# Altium PCB MB_PCB.PcbDoc (part 2 of 4)
Units mm, origin at the board's own origin, x right, y up, seen from the top; angles counter-clockwise.
Board outline 140 x 163 mm, 2 copper layers (Top Layer, Bottom Layer); 363 components, 293 nets, 1486 pads, 1369 vias.
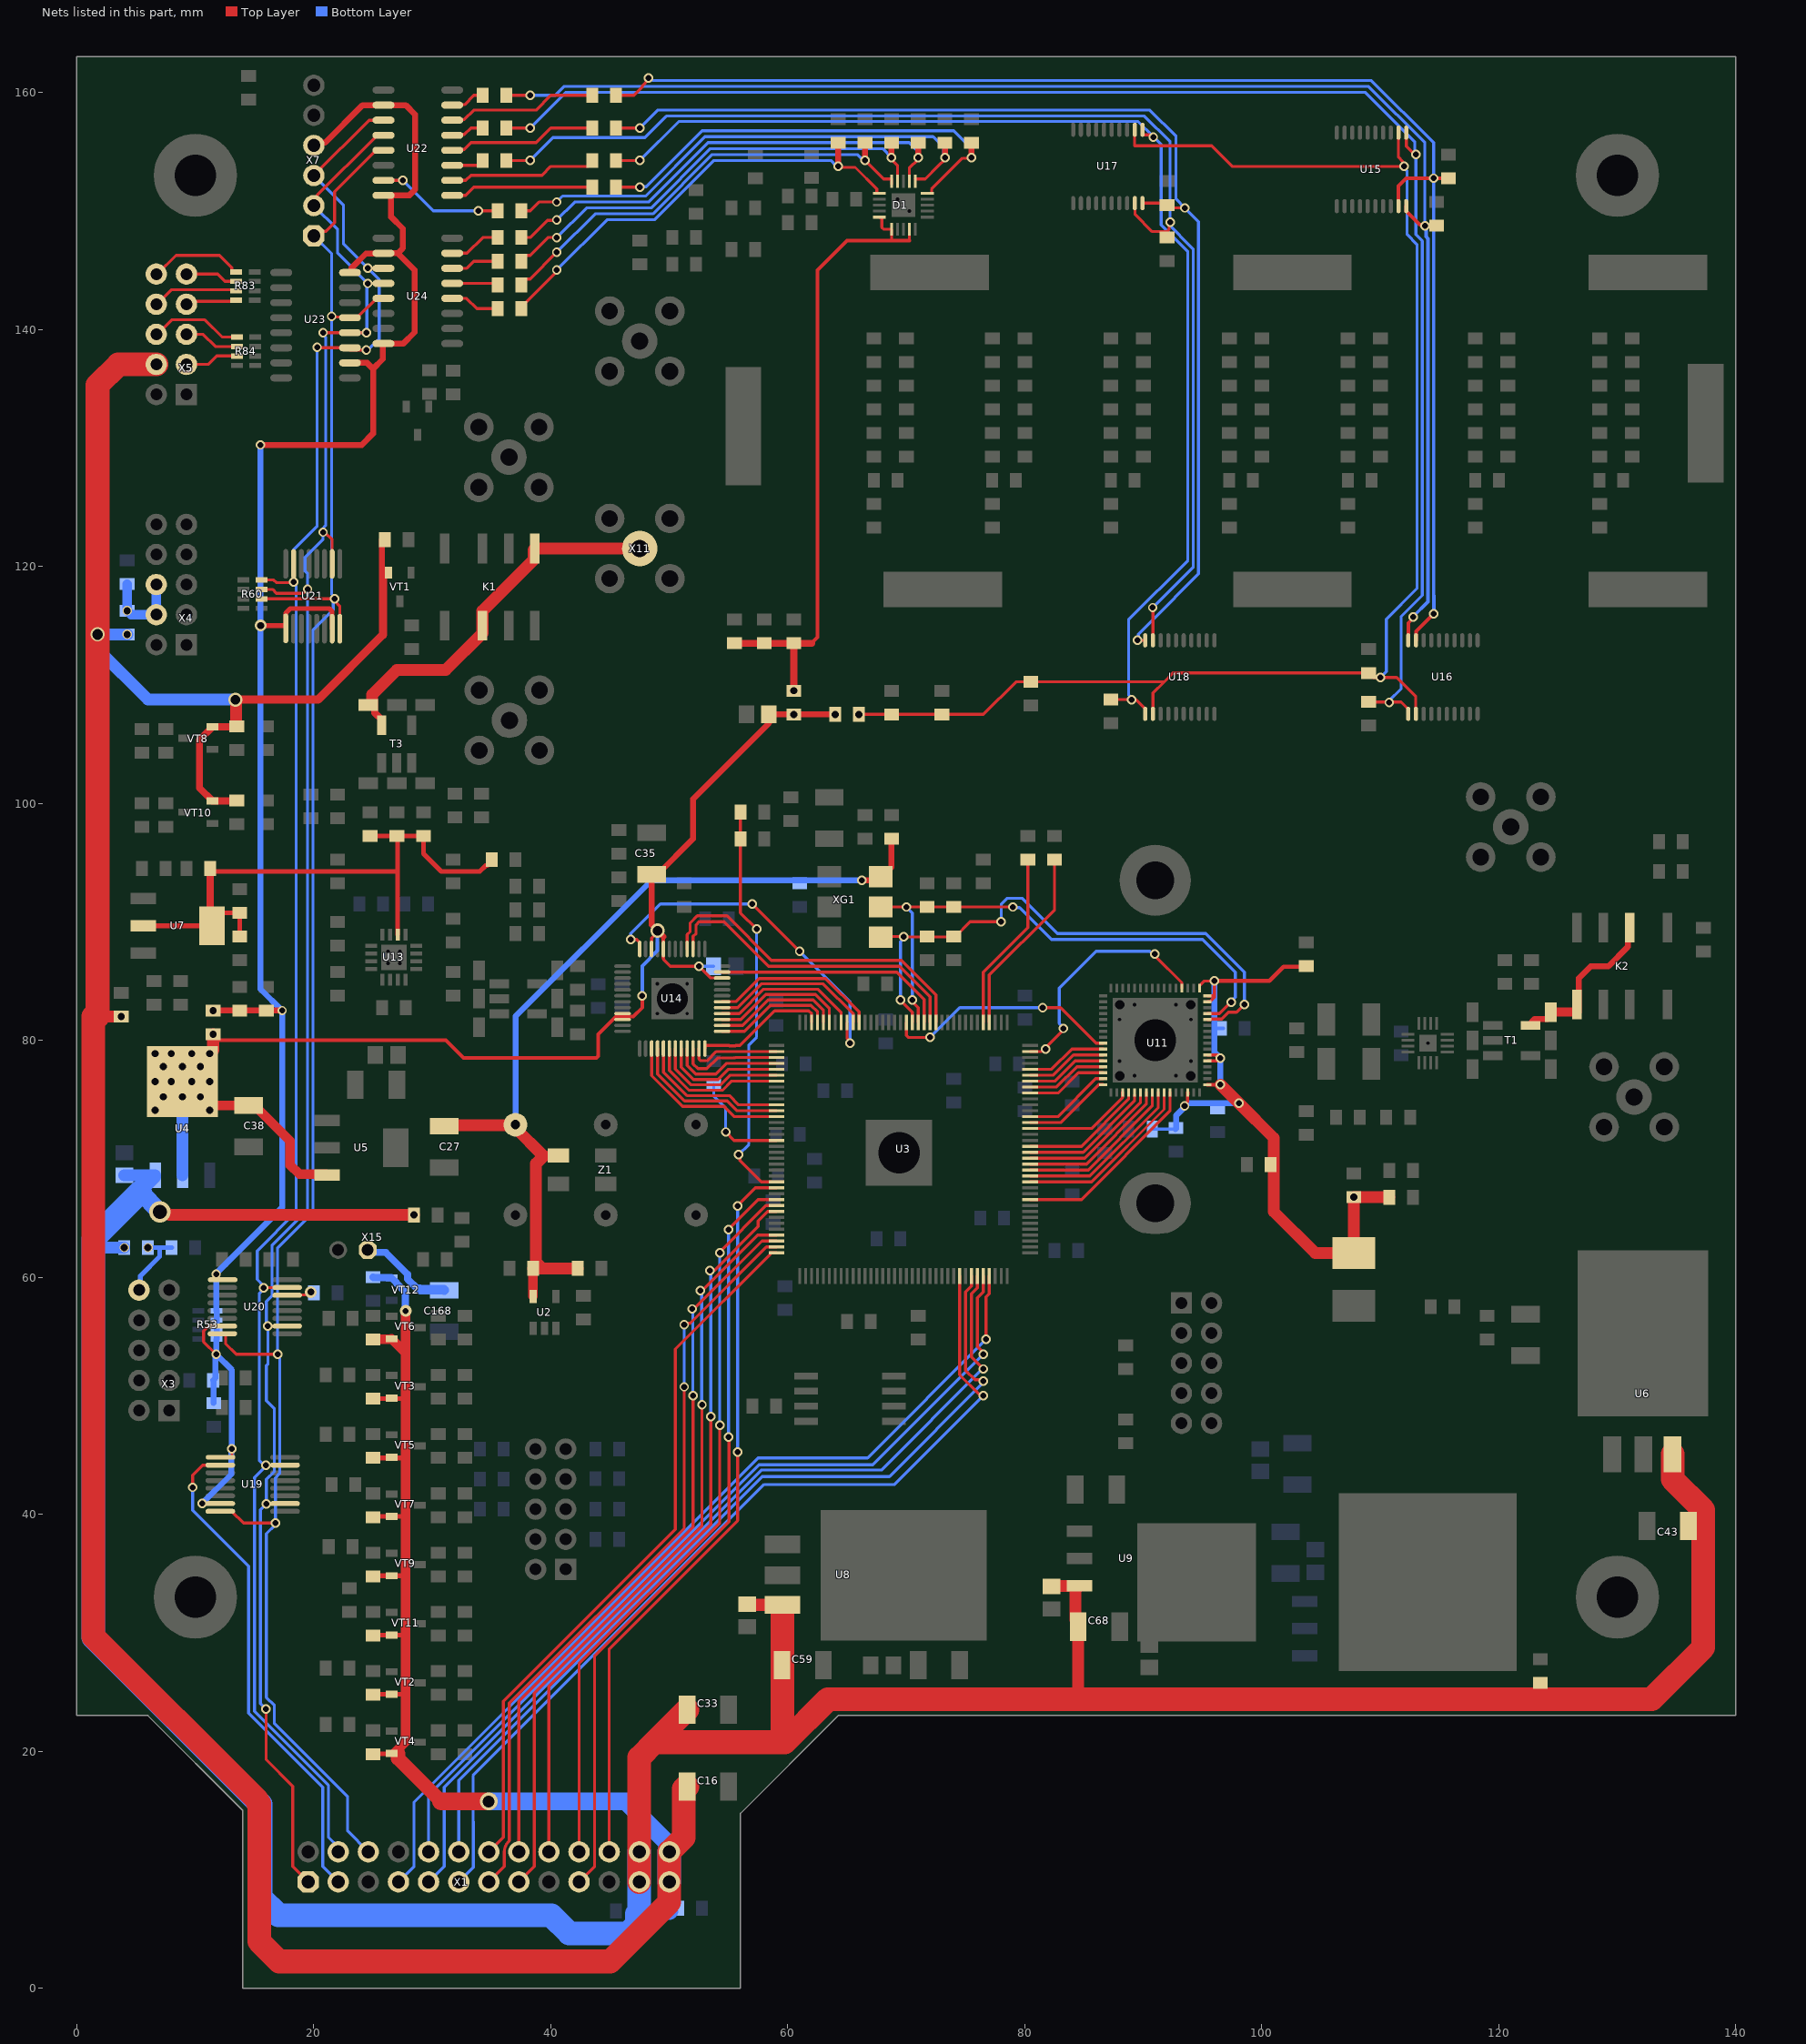
[diagram p2: the nets of this part, all layers, seen from the top]

## Via types
v1: diameter 0.8, hole 0.6, Top Layer to Bottom Layer, tented both sides, 1132 vias
v2: diameter 0.8, hole 0.5, Top Layer to Bottom Layer, tented both sides, 211 vias
v3: diameter 2, hole 1.5, Top Layer to Bottom Layer, tented both sides, 8 vias
v4: diameter 1, hole 0.6, Top Layer to Bottom Layer, tented both sides, 6 vias
v5: diameter 0.7, hole 0.5, Top Layer to Bottom Layer, tented both sides, 2 vias
v6: diameter 1.2, hole 0.8, Top Layer to Bottom Layer, tented both sides, 2 vias
v7: diameter 0.6, hole 0.4, Top Layer to Bottom Layer, tented both sides, 2 vias
v8: diameter 1, hole 0.5, Top Layer to Bottom Layer, tented both sides, 1 vias
v9: diameter 0.7, hole 0.4, Top Layer to Bottom Layer, tented both sides, 1 vias
v10: diameter 0.5, hole 0.4, Top Layer to Bottom Layer, tented both sides, 1 vias
v11: diameter 1.5, hole 1, Top Layer to Bottom Layer, tented both sides, 1 vias
v12: diameter 1.2, hole 0.9, Top Layer to Bottom Layer, tented both sides, 1 vias
v13: diameter 1.8, hole 1.2, Top Layer to Bottom Layer, tented both sides, 1 vias

## Nets (pads, with @x,y where several pads share a name; then routed paths per layer and width w, separated by ;. In a path a pad name is that pad's centre, name@x,y a point inside that pad or via, vN(x,y) a via of type N, cw(c..) or ccw(c..) an arc to the next point about the centre after c; other vN are vias at no path point) (continued)
+3V3ADC: C42.1 C87.1 C169.1 C170.1 C171.1 C173.2 FB9.1 FB10.2 L1.2 U11.1@95.4,76.25 U11.5 U11.6 U11.15 U11.16 U11.17 U11.62 | length 64
  Top Layer w0.254: U11.17@94.75,84.4 94.75,84.621 95.129,85 v2(96,85) 96,83.899 ; U11.5@95.4,78.25 95.402,78.252 96.252,78.252 v2(96.5,78.5) 96.252,78.748 95.402,78.748 U11.6@95.4,78.75 ; U11.15@95.4,83.25 95.621,83.25 96,83.629 96,83.899 ; U11.16@95.4,83.75 95.851,83.75 96,83.899
  Top Layer w0.3: v2(93.477,74.446) 93.477,74.581 93.725,74.829 93.725,75.4 93.75,75.425 U11.62@93.75,75.6 ; U11.1@95.4,76.25 v2(96.5,76.25)
  Top Layer w0.35: v2(96,85) 100.638,85 101.838,86.2 C87.1@103.2,86.2
  Top Layer w1: v2(96.5,76.25) v2(98.056,74.694) 101,71.75 101,65.536 104.5,62.036 L1.2@107.75,62.036 v1(107.75,66.75) 110.746,66.75 C42.1@110.75,66.746
  Bottom Layer w0.3: FB10.2@90.75,72.5 C173.2@92.7,72.5 ; 96,81 C169.1@96.529,81 C169.1@96.75,81
  Bottom Layer w0.5: C173.2@92.7,72.5 92.75,72.55 92.75,73.637 93.477,74.364 v2(93.477,74.446) 93.558,74.446 93.806,74.694 v2(98.056,74.694) ; v2(96,85) 96,81 96,79 v2(96.5,78.5) v2(96.5,76.25)
+3V3ATT: C60.1 C61.1 C128.1 D1.5 D1.6 D1.9 FB6.1 | length 54.8
  Top Layer w0.254: D1.5@67.725,149.475 D1.5@67.924,149.475 ; D1.5@67.926,149.473 67.926,148.597 68.075,148.448 D1.6@68.748,148.448 ; 68.752,147.504 D1.6@68.752,148.448 ; 70.25,147.504 D1.9@70.25,148.45
  Top Layer w0.3: 62,113.5 62.5,114 62.5,145 65,147.5 68.748,147.5 68.752,147.504 70.25,147.504
  Top Layer w0.6: C60.1@55.5,113.5 C128.1@60.5,113.5 ; v1(60.5,109.5) C128.1@60.5,113.5 ; 62,113.5 C128.1@60.5,113.5
+3V3DAC: C35.1 C36.2 C37.2 C38.1 FB6.2 FB7.2 FB8.2 U4.2 U4.4 U5.3 U14.22 U14.32 U14.34 U14.45 U14.46 | length 118.2
  Top Layer w0.254: U14.34@48.5,87.7 48.509,87.709 48.509,88.611 49,89.102 v6(49,89.25) ; C35.1@48.5,94 C35.1@49,94 ; 49.5,86.975 49.5,86.833 50.083,86.25 v2(52.5,86.25) 53.491,85.259 54.441,85.259 U14.22@54.45,85.25 ; C37.2@58.416,106.766 58.416,107.025 58.775,107.025 58.775,107.352 C37.2@58.923,107.5
  Top Layer w0.3: U4.4@8.915,76.5 11.205,78.79 11.205,79.455 11.75,80 31.121,80 32.621,78.5 43.851,78.5 44,78.649 44,80.502 45.498,82 46.955,82 47.705,82.75 v2(47.705,83.735) ; U4.4@9.308,76.892 10.308,77.892 U4.4@11.253,78.837 ; v1(11.215,78.875) U4.4@11.5,79.16 ; 49.5,86.975 U14.32@49.5,87.7 49.5,88.75
  Top Layer w0.5: C35.1@48.5,94 48.5,89.75 v6(49,89.25) 49.5,88.75 ; C35.1@49,94 52,97 52,100.35 C37.2@58.416,106.766 ; C37.2@58.4,107.5 58.923,107.5 v1(60.5,107.5) FB7.2@63.75,107.5
  Top Layer w0.8: v1(8.915,75.225) 9.64,74.5 C38.1@14.5,74.5 15,74.5 18,71.5 18,69.469 18.778,68.69 21.025,68.69 U5.3@21.1,68.615
  Top Layer w1: U4.4@11.5,79.16 11.5,80 v1(11.5,80.5)
  Bottom Layer w0.254: v2(52.5,86.25) C36.2@53.725,86.25
  Bottom Layer w0.3: v2(47.705,83.735) 47.705,86.258 49,87.553 v6(49,89.25)
  Bottom Layer w1: U4.2@8.915,68.6 v1(8.915,75.225)
  other v1: 6.615,74.1 11.215,74.1 7.3,75.225 10.425,75.225 6.615,76.5 7.975,76.5 9.7,76.5 11.215,76.5 7.3,77.775 8.915,77.775 10.425,77.775 6.615,78.875 7.975,78.875 9.7,78.875 64,107.5
+3V3Gen: C27.1 C28.1 C29.1 C32.1 R5.2 U2.5 XG1.6 Z1.4 | length 74.2
  Top Layer w0.5: v2(66.25,93.5) 67.54,93.5 XG1.6@67.83,93.79 67.93,93.79 68.75,94.61 C28.1@68.75,97
  Top Layer w0.8: U2.5@38.5,58.398 C32.1@38.5,60.75
  Top Layer w1: C27.1@31,72.75 31.06,72.81 36.95,72.81 Z1.4@37.01,72.87 37.01,72.599 39.336,70.274 39.336,70.17 38.75,69.584 38.75,61.25 39.25,60.75 ; C32.1@38.5,60.75 39.25,60.75 ; C29.1@42.25,60.75 39.25,60.75
  Bottom Layer w0.5: Z1.4@37.01,72.87 37.01,82.01 48.5,93.5 61,93.5 v2(66.25,93.5)
+3V3R: C85.1 C86.1 C167.2 FB8.1 R53.5 R53.6 R53.7 R53.8 R85.1 U19.1 U19.7 U20.1 U20.7 U21.1 U21.7 U22.10 U22.16 U23.10 U23.16 U24.10 U24.16 X7.4 | length 182.5
  Top Layer w0.254: v2(10.568,40.9) 10.572,40.895 12.497,40.895 U19.7@12.513,40.912 ; v2(11.75,53.5) 10.704,54.546 10.704,55.447 11.048,55.792 11.113,55.792 11.196,55.875 U20.7@12.281,55.875 U20.7@12.55,55.875 ; v2(11.75,60.25) 11.75,59.863 11.838,59.775 U20.1@12.55,59.775 ; U19.1@12.55,44.775 13.049,44.775 13.086,44.812 v2(13.086,45.5) ; 24.046,130.25 24.046,130.255
  Top Layer w0.4: v4(15.5,115) 17.589,115 17.633,115.044 17.633,116.054 18.017,116.437 21.306,116.437 21.54,116.203 U21.7@21.54,114.737
  Top Layer w0.5: v1(11.5,82.5) C85.1@13.75,82.5 C86.1@16,82.5 v2(17.318,82.5) ; v2(15.5,130.25) 24.046,130.25 ; X7.4@20,155.52 20.249,155.769 20.959,155.769 24.112,158.922 U22.10@25.875,158.922 27.75,158.922 28.543,158.129 28.543,151.793 28.071,151.321 25.894,151.321 U22.16@25.875,151.302 26.473,151.302 26.519,151.256 26.519,149.481 27.5,148.5 27.5,146.844 27.078,146.422 ; U23.10@23.05,137.17 24.5,137.17 25,136.67 ; U23.16@23.05,144.79 23.106,144.79 23.152,144.836 23.152,145.152 24.403,146.403 25.856,146.403 U24.10@25.875,146.422 27.078,146.422 ; 24.046,130.255 25,131.209 25,136.67 ; U24.16@25.87,138.807 25.824,138.761 25.824,137.494 25,136.67 ; U24.16@25.875,138.802 25.894,138.783 27.533,138.783 28.5,139.75 28.5,145 27.078,146.422
  Bottom Layer w0.5: v2(10.568,40.9) 13.029,43.36 13.029,45.443 v2(13.086,45.5) 13.086,52.164 v2(11.75,53.5) ; C167.2@11.55,49.377 11.525,49.402 11.525,51.265 R85.1@11.5,51.29 11.693,51.483 11.693,53.443 v2(11.75,53.5) ; v2(15.5,130.25) v4(15.5,115) 15.5,84.318 v2(17.318,82.5) 17.318,65.884 11.75,60.316 v2(11.75,60.25) 11.775,60.225 11.775,57.2 R53.5@11.8,57.175 R53.6@11.8,56.375 R53.7@11.8,55.575 R53.8@11.8,54.775 11.75,54.725 v2(11.75,53.5)
+3V3RF: C71.1 C72.1 C129.1 C130.1 FB7.1 U15.2 U16.2 U17.2 U18.2 | length 126.6
  Top Layer w0.254: v1(66,107.5) C72.1@73.125,107.5 ; C72.1@73,107.5 76.5,107.5 79.25,110.25 C129.1@80.5,110.25 91.75,110.25 ; U17.2@89.275,156.85 89.257,156.832 89.257,155.507 89.25,155.5 89.257,155.5 95.75,155.5 97.5,153.75 v2@111.896,153.75 ; U18.2@90.8,107.55 90.818,107.568 90.818,109.318 91.75,110.25 ; U15.2@111.525,156.6 111.525,154.525 111.896,154.154 111.896,153.854 v2(112,153.75) ; U16.2@113,107.55 112.982,107.568 112.982,109.018 111.373,110.627 v2(110,110.627) 109.373,110.627 C130.1@109,111 92.5,111 91.75,110.25
  Bottom Layer w0.254: v2(110,110.627) 110.5,111.127 110.5,115.53 113.092,118.122 113.092,147.158 112.25,148 112.25,153.352 112,153.602 v2(112,153.75)
+5: C12.1 C33.1 C34.2 C43.1 C45.1 C50.2 C59.1 C64.2 C68.1 FB1.1 FB3.2 U4.3 U6.3 U8.3 U9.3 X1.23 X1.24 | length 289.1
  Top Layer w1: v13(7,65.5) 7.153,65.347 7.719,65.347 7.816,65.25 v1(28.437,65.25) ; C50.2@57.055,32.345 U8.3@59.55,32.345 ; C64.2@82.25,33.9 82.275,33.925 U9.3@84.573,33.925 ; 84.25,24.381 84.5,24.631 C68.1@84.5,30.5 ; C68.1@84.25,31.076 84.25,33.602 U9.3@84.573,33.925 ; U9.3@84.6,33.95 84.598,33.95 U9.3@84.573,33.925
  Top Layer w2: X1.23@47.46,8.96 X1.24@47.46,11.5 47.46,19.46 48.786,20.786 ; C33.1@51.5,23.5 48.822,20.822 48.893,20.75 59.75,20.75 ; U8.3@59.55,32 59.55,20.95 59.75,20.75 ; U6.3@134.655,45.05 134.655,42.945 137.25,40.35 137.25,28.75 132.881,24.381 84.25,24.381 63.381,24.381 59.75,20.75
  Bottom Layer w1: 1.381,62.5 v1(4,62.5) ; C34.2@4,68.6 U4.3@6.59,68.6 ; 5.366,67.167 5.333,67.167 U4.3@6.615,68.449
  Bottom Layer w1.5: 5.366,67.167 7,65.534 v13(7,65.5)
  Bottom Layer w2: 5.333,67.167 1.381,63.215 1.381,62.5 1.381,29.619 15.5,15.5 15.5,7.672 17.025,6.146 40.033,6.146 41.558,4.621 46.519,4.621 47.254,5.356 47.254,6.254 C12.1@47.46,6.46 ; 47.46,5.638 C12.1@47.46,6.46 ; X1.24@47.46,11.5 X1.23@47.46,8.96 C12.1@47.46,6.46 ; C12.1@47.5,6.5 C12.1@47.46,6.46
+5V_HF: C2.1 FB1.2 X3.10 | length 6.3
  Bottom Layer w0.4: X3.10@5.25,58.91 5.366,59.026 5.366,60.116 7,61.75 7,62.5 ; v1(6,62.5) 7,62.5 ; C2.1@8,62.5 7,62.5
+9V: C48.1 C49.1 C94.2 C96.2 C97.2 R14.1 R19.1 U7.2 U7.4 U13.14 | length 52
  Top Layer w0.4: U7.2@5.6,89.665 U7.4@11.4,89.665 11.4,89.875 12.275,90.75 C49.1@13.75,90.75 C48.1@13.75,88.75 ; R14.1@11.25,94.25 27.075,94.25 ; C97.2@24.75,97.25 C96.2@27,97.25 ; U13.14@27.075,88.9 27.075,94.25 ; C96.2@27.075,97.175 27.075,94.25 ; C96.2@27.123,97.25 C94.2@29.25,97.25 29.25,95.75 30.75,94.25 34,94.25 34.502,94.752 34.627,94.752 35,95.125 R19.1@35,95.25
  Top Layer w0.6: U7.4@11.25,89.815 R14.1@11.25,94.25
+12: C15.1 C16.1 FB2.1 FB5.2 R49.1 R52.1 R57.1 R59.1 R64.1 R66.1 R71.1 R73.1 R77.1 R79.1 R82.1 R87.1 VT1.2 VT2.2 VT3.2 VT4.2 VT5.2 VT6.2 VT7.2 VT8.2 VT9.2 VT10.2 VT11.2 VT12.2 X1.25 X1.26 X5.4 | length 342.9
  Top Layer w0.4: R59.1@25,19.75 25.025,19.775 26.525,19.775 VT4.2@26.55,19.8 VT4.2@26.75,19.8 ; R52.1@25,25 25.2,24.8 VT2.2@26.55,24.8 27.75,24.8 ; R82.1@25,29.75 25.05,29.8 VT11.2@26.55,29.8 27.75,29.8 ; R77.1@25,35 25.2,34.8 VT9.2@26.55,34.8 27.75,34.8 ; R71.1@25,39.75 25.05,39.8 VT7.2@26.55,39.8 27.75,39.8 ; R64.1@25,44.75 27.75,44.75 ; R57.1@25,49.75 27.75,49.75 ; R66.1@25,54.75 R66.1@25.025,54.775 ; VT6.2@26.525,54.775 VT6.2@26.55,54.8
  Top Layer w0.5: R49.1@25.75,122.25 25.75,119.725 25.825,119.65
  Top Layer w0.6: R79.1@13.5,100.25 13.45,100.2 VT10.2@11.45,100.2 10.35,101.3 10.35,105.35 VT8.2@11.45,106.45 13.45,106.45 R73.1@13.5,106.5
  Top Layer w0.7: v6(13.388,108.75) 20.35,108.75 25.825,114.225 25.825,119.65
  Top Layer w0.8: R66.1@25.025,54.775 VT6.2@26.525,54.775 ; VT6.2@26.55,54.8 27.75,53.6 ; VT4.2@26.75,19.8 27.75,20.8 27.75,24.8 27.75,29.8 27.75,34.8 27.75,39.8 27.75,44.75 27.75,49.75 27.75,53.6 ; v8(27.75,57.149) 27.75,53.6
  Top Layer w1: 1.327,82 v1(3.75,82) ; v6(13.388,108.75) 13.426,108.712 13.426,106.5 R73.1@13.5,106.5
  Top Layer w1.2: 27.108,19.8 27.108,19.392 30.75,15.75
  Top Layer w1.5: 30.75,15.75 v11(34.75,15.75)
  Top Layer w2: 1.381,82 1.381,29.696 15.25,15.827 15.25,15.703 15.381,15.572 15.381,3.946 17.077,2.25 45,2.25 50,7.25 X1.25@50,8.96 X1.26@50,11.5 51.2,12.7 51.2,16.8 51.4,17 C16.1@51.5,17 ; 1.75,82 v12(1.75,114.25) 1.75,135.29 3.5,137.04 X5.4@6.71,137.04
  Bottom Layer w0.6: R87.1@25,60 25.025,59.975 26.525,59.975 VT12.2@26.55,59.95 27.001,59.499 27.001,59.476 27.712,58.765 27.712,57.187 v8(27.75,57.149)
  Bottom Layer w1: v1(4.25,114.25) v12(1.75,114.25) 1.75,113 6,108.75 v6(13.388,108.75)
  Bottom Layer w1.5: v11@34.76,15.75 46.321,15.75 49.943,12.129 49.943,11.557 X1.26@50,11.5 ; 50,6.5 X1.25@50,8.96
  Bottom Layer w2: X1.25@50,8.96 X1.26@50,11.5
+12V_TUN: C9.1 FB2.2 X4.4 X4.6 | length 7.4
  Bottom Layer w0.8: C9.1@4.25,118.5 v1(4.25,116.25) 4.58,115.92 X4.4@6.71,115.92 X4.6@6.71,118.46
ADC_IN: K2.2 K2.5 T1.6 T1.10 | length 14.5
  Top Layer w0.5: T1.10@122.68,81.25 122.75,81.32 122.75,81.537 123.018,81.805 124.14,81.805 124.39,82.055 T1.6@124.39,82.38 ; K2.5@126.6,83 126.75,83.15 126.75,85.25 127.75,86.25 129.25,86.25 130.875,87.875 130.875,89.35 K2.2@131.025,89.5
  Top Layer w0.8: T1.6@124.39,82.38 126.6,82.38 K2.5@126.6,83
ATT_0.5: R46.2 U24.5 | length 3.9
  Top Layer w0.254: U24.5@31.675,143.882 35.368,143.882 R46.2@35.5,143.75
ATT_1: R45.2 U24.6 | length 4.1
  Top Layer w0.254: U24.6@31.675,145.152 32.902,145.152 33.5,145.75 R45.2@35.5,145.75
ATT_2: R42.2 U24.7 | length 4.4
  Top Layer w0.254: U24.7@31.675,146.422 32.922,146.422 34.25,147.75 R42.2@35.5,147.75
ATT_4: R41.2 U22.15 | length 10.7
  Top Layer w0.254: U22.15@25.875,152.572 v2(27.5,152.572) ; v2(33.877,150) R41.2@35.5,150
  Bottom Layer w0.254: v2(27.5,152.572) 30.072,150 v2(33.877,150)
ATT_8: R38.2 U22.1 | length 12.1
  Top Layer w0.254: U22.1@31.675,151.302 32.802,151.302 33.5,152 R38.2@43.5,152
ATT_16: R37.2 U24.4 | length 4.2
  Top Layer w0.254: U24.4@31.675,142.612 32.888,142.612 33.75,141.75 R37.2@35.5,141.75
AUDIO_48K_CLOCK: U3.136 X1.20 | length 62
  Top Layer w0.254: X1.20@42.38,11.5 42.38,27.374 54.25,39.244 v2(54.25,47.5) ; v2(54.25,62.05) 54.25,62.142 58.158,66.05 U3.136@59.05,66.05
  Bottom Layer w0.254: v2(54.25,47.5) v2(54.25,62.05)
AUDIO_I2S_CLOCK: U3.135 X1.19 | length 65.4
  Top Layer w0.254: X1.19@42.38,8.96 43.693,10.273 43.693,28.045 55.023,39.375 55.023,46.477 v2(55,46.5) v2@55.012,46.512 ; v2(55,64) 55,64.05 57.5,66.55 U3.135@59.05,66.55
  Bottom Layer w0.254: v2(55,64) 55,46.523 v2@55.012,46.512
B1_A0: C124.1 R39.1 U15.20 U16.20 | length 126.2
  Top Layer w0.254: R39.1@36.25,159.75 v2(38.25,159.75)
  Top Layer w0.3: U15.20@112.175,150.4 112.175,149.989 113.318,148.846 113.654,148.846 v2(113.75,148.75) ; U16.20@112.35,113.75 112.36,113.76 112.36,115.224 112.764,115.629 v2(112.764,115.736) ; v2@113.615,148.75 C124.1@114.75,148.75
  Bottom Layer w0.254: v2(38.25,159.75) 40.358,159.75 41.108,160.5 109,160.5 113.75,155.75 v2(113.75,148.75)
  Bottom Layer w0.3: v2(112.764,115.736) 112.764,115.764 114.023,117.023 114.023,147.652 113.846,147.829 113.846,148.654 v2(113.75,148.75)
B1_A1: C126.1 R43.1 U15.19 U16.19 | length 120.8
  Top Layer w0.254: R43.1@45.5,159.75 47,159.75 47.721,160.471 47.721,160.551 48.25,161.079 v2(48.25,161.227)
  Top Layer w0.3: U15.19@111.525,150.4 111.525,152.1 112.175,152.75 v2(114.5,152.75) C126.1@115.75,152.75 ; U16.19@113,113.75 113.01,113.76 113.01,114.51 v2(114.5,116)
  Bottom Layer w0.254: v2(48.25,161.227) 48.398,161.227 48.625,161 109.25,161 114.5,155.75 114.5,117.523 114.523,117.5
  Bottom Layer w0.3: v2(114.5,116) 114.523,116.023 114.523,117.5
B1_EN: C118.1 R35.1 U15.1 U16.1 | length 134.6
  Top Layer w0.254: R35.1@36.25,157 v2(38.25,157) ; C118.1@109,108.55 111.749,108.55 112.35,107.949 U16.1@112.35,107.55 ; U15.1@112.175,156.6 112.193,156.582 112.193,155.454 112.898,154.75 v2(113,154.75)
  Bottom Layer w0.254: v2(38.25,157) 41.25,160 108.75,160 112.896,155.854 112.896,154.854 v2(113,154.75) 113,148 113.546,147.454 113.546,117.546 111.75,115.75 111.75,109.648 110.75,108.648 v2(110.75,108.5)
B2_A0: C125.2 R40.2 U17.20 U18.20 | length 98.6
  Top Layer w0.254: R40.2@45.5,157 v2(47.5,157) ; v2(89.5,113.75) U18.20@90.15,113.75 ; U17.20@89.925,150.65 91.85,150.65 C125.2@92,150.5 92.25,150.25 v2(93.5,150.25)
  Bottom Layer w0.254: v2(47.5,157) 49,158.5 90.546,158.5 92.75,156.296 92.75,151 v2(93.5,150.25) ; v2(89.5,113.75) 89.576,113.826 89.576,114.27 90.661,115.355 94.658,119.352 94.658,149.092 93.625,150.125 v2@93.625,150.25
B2_A1: C127.2 R44.2 U17.19 U18.19 | length 108.9
  Top Layer w0.254: R44.2@36.25,154.25 v2(38.25,154.25) ; U17.19@89.275,150.65 89.293,150.632 89.293,149.707 90.75,148.25 C127.2@92,148.25 ; v2(90.789,116.511) 90.8,116.5 U18.19@90.8,113.75 ; C127.2@92,147.75 C127.2@92,148.25 ; v2(92.276,149.049) 92.171,148.944 92.171,148.421 C127.2@92,148.25
  Bottom Layer w0.254: v2(38.25,154.25) 40.177,156.177 47.927,156.177 49.75,158 90.093,158 92.25,155.843 92.25,149.25 v2@92.113,149.113 ; v2(90.789,116.511) 90.811,116.511 94.204,119.904 94.204,146.796 92,149 v2@92.113,149.113 ; v2(92.276,149.049) 92.211,149.113 v2@92.113,149.113
B2_EN: C119.2 R36.2 U17.1 U18.1 | length 103.2
  Top Layer w0.254: R36.2@45.5,154.25 v2(47.5,154.25) ; C119.2@87.25,108.75 v2(89,108.75) 89.375,108.75 90.15,107.975 U18.1@90.15,107.55 ; U17.1@89.925,156.85 89.925,156.451 89.969,156.407 90.511,156.407 90.682,156.236 v2(90.829,156.236)
  Bottom Layer w0.254: v2(47.5,154.25) 50.796,157.546 89.547,157.546 90.829,156.264 v2(90.829,156.236) ; v2(89,108.75) 89,108.898 88.75,109.148 88.75,115.5 93.75,120.5 93.75,146.546 91.5,148.796 91.5,155.593 v2@90.843,156.25
BPF1_A0: R39.2 U22.7 | length 2.9
  Top Layer w0.254: U22.7@31.675,158.922 31.717,158.964 32.714,158.964 33.5,159.75 R39.2@34.25,159.75
BPF1_A1: R43.2 U22.6 | length 12.7
  Top Layer w0.254: U22.6@31.675,157.652 31.727,157.704 32.704,157.704 33.5,158.5 38.75,158.5 40,159.75 R43.2@43.5,159.75
BPF1_EN: R35.2 U22.5 | length 2.8
  Top Layer w0.254: U22.5@31.675,156.382 31.737,156.444 32.694,156.444 33.25,157 R35.2@34.25,157
BPF2_A0: R40.1 U22.4 | length 12.6
  Top Layer w0.254: U22.4@31.675,155.112 31.741,155.178 32.678,155.178 33.25,155.75 38.75,155.75 40,157 R40.1@43.5,157
BPF2_A1: R44.1 U22.3 | length 2.8
  Top Layer w0.254: U22.3@31.675,153.842 33.877,153.842 34.25,154.215 R44.1@34.25,154.25
BPF2_EN: R36.1 U22.2 | length 12.6
  Top Layer w0.254: U22.2@31.675,152.572 32.822,152.572 33.25,153 39.25,153 40.002,153.752 43.127,153.752 43.5,154.125 R36.1@43.5,154.25
C0.5: C109.2 D1.20 R46.1 | length 38.6
  Top Layer w0.254: R46.1@37.5,143.75 37.5,143.875 37.873,144.248 38.248,144.248 v2(40.5,146.5) ; v2(66.5,154.273) 68.075,152.698 68.748,152.698 68.75,152.696 D1.20@68.75,152.275
  Top Layer w0.5: v2(66.5,154.273) C109.2@66.5,155.75
  Bottom Layer w0.254: v2(40.5,146.5) 43.75,149.75 48.608,149.75 53.608,154.75 65.875,154.75 66.352,154.273 v2(66.5,154.273)
C1: C117.2 D1.19 R45.1 | length 39.3
  Top Layer w0.254: R45.1@37.5,145.75 37.5,145.875 37.873,146.248 38.248,146.248 39.75,147.75 v2(40.5,147.75) ; v2(68.75,154.5) 68.75,154.352 69.247,153.855 69.247,153.713 69.25,153.71 D1.19@69.25,152.275
  Top Layer w0.5: v2(68.75,154.5) C117.2@68.75,155.75
  Bottom Layer w0.254: v2(40.5,147.75) 43,150.25 48.466,150.25 53.466,155.25 68,155.25 v2(68.75,154.5)
C2: C110.2 D1.17 R42.1 | length 41.4
  Top Layer w0.254: R42.1@37.5,147.75 38.25,147.75 39.703,149.203 40.453,149.203 v2(40.5,149.25) ; D1.17@70.25,152.275 70.25,153.602 71,154.352 v2(71,154.5)
  Top Layer w0.5: v2(71,154.5) C110.2@71,155.75
  Bottom Layer w0.254: v2(40.5,149.25) 42,150.75 48.25,150.75 53.25,155.75 70.25,155.75 70.952,155.048 70.952,154.548 v2(71,154.5)
C4: C115.2 D1.16 R41.1 | length 44.1
  Top Layer w0.254: R41.1@37.5,150 38.25,150 39,150.75 v2(40.5,150.75) ; D1.16@70.75,152.696 70.752,152.698 71.596,152.698 72.683,153.786 72.683,153.789 73.25,154.355 v2(73.25,154.503)
  Top Layer w0.5: v2(73.25,154.503) C115.2@73.25,155.75
  Bottom Layer w0.254: v2(40.5,150.75) 41,151.25 48,151.25 53,156.25 72.25,156.25 73.146,155.354 73.146,154.608 v2(73.25,154.503)
C8: C111.2 D1.15 R38.1 | length 39.8
  Top Layer w0.254: R38.1@45.5,152 v2(47.5,152) ; D1.15@71.775,151.475 72.127,151.475 72.129,151.477 72.129,151.829 74.739,154.439 75.439,154.439 v2(75.5,154.5)
  Top Layer w0.5: v2(75.5,154.5) C111.2@75.5,155.75
  Bottom Layer w0.254: v2(47.5,152) 47.548,152.048 48.048,152.048 52.75,156.75 74,156.75 75.5,155.25 v2(75.5,154.5)
C16: C116.2 D1.1 R37.1 | length 38.9
  Top Layer w0.254: R37.1@37.5,141.75 37.5,141.875 40.5,144.875 v2(40.5,145) ; v2(64.25,153.773) 64.354,153.669 65.684,153.669 67.5,151.852 67.5,151.477 67.502,151.475 D1.1@67.725,151.475
  Top Layer w0.5: v2(64.25,153.773) C116.2@64.25,155.75
  Bottom Layer w0.254: v2(40.5,145) 44.75,149.25 48.75,149.25 53.75,154.25 63.625,154.25 64.102,153.773 v2(64.25,153.773)
CHARGE_PUMP: R3.2 R4.1 U3.132 | length 34.5
  Top Layer w0.254: v2(55.842,70.342) 55.946,70.238 55.946,69.853 57.75,68.05 U3.132@59.05,68.05 ; R4.1@56,99.25 R3.2@56,97 56,90.75 v2(57.359,89.391)
  Bottom Layer w0.254: v2(55.842,70.342) 56.706,71.206 56.706,79.613 57.359,80.266 v2(57.359,89.391)
CLK_122.88M: R12.1 R13.2 U3.89 U11.12 XG1.4 | length 49.7
  Top Layer w0.254: XG1.4@67.83,88.71 67.87,88.75 v2(69.773,88.75) ; v2@69.54,83.432 69.54,83.325 70.5,82.365 U3.89@70.5,81.513 ; v2@69.773,88.71 71.75,88.71 73.964,88.71 R13.2@74.004,88.75 74.129,88.75 75.379,90 v2(78,90) ; U11.12@95.4,81.75 95.402,81.752 95.7,81.752 95.742,81.793 96.598,81.793 97.17,82.366 97.856,82.366 v2(98.518,83.028)
  Bottom Layer w0.254: v2(69.5,83.393) 69.5,88.329 69.773,88.602 v2(69.773,88.75) ; v2(78,90) 78.007,90.007 78.007,91.507 78.477,91.977 79.78,91.977 82.757,89 95.26,89 98.518,85.742 v2(98.518,83.028)
CLK_N_122.88M: R9.1 R10.2 U3.88 U11.13 XG1.5 | length 47.4
  Top Layer w0.254: XG1.5@67.83,91.25 v2(70,91.25) v2(79,91.25) ; v2(70.5,83.393) 70.5,83.245 71,82.745 U3.88@71,81.5 ; U11.13@95.4,82.25 95.402,82.252 96.415,82.252 97.363,83.2 v2(97.41,83.2)
  Bottom Layer w0.254: v2(70,91.25) 70.5,90.75 v2(70.5,83.393) ; v2(79,91.25) 79.048,91.202 79.548,91.202 82.25,88.5 94.986,88.5 97.75,85.736 97.75,83.622 97.41,83.282 v2(97.41,83.2)
CLKOUTA: U3.90 U11.41 | length 20
  Top Layer w0.254: U3.90@70,81.5 70,80.399 70.159,80.24 v2(72,80.24) ; v2(81.5,82.75) 83,82.75 85.998,79.752 U11.41@86.6,79.75 U11.41@86.6,79.75
  Bottom Layer w0.254: v2(72,80.24) 74.51,82.75 v2(81.5,82.75)
"CTRL CLK": R60.8 U19.15 U20.15 U21.15 U22.11 U23.11 U24.11 X1.4 X7.3 | length 169
  Top Layer w0.254: R60.8@15.592,118.85 16.614,118.85 16.841,118.623 18.223,118.623 v2(18.285,118.685) ; v2(15.75,59.117) 15.754,59.121 16.946,59.121 U20.15@16.95,59.125 ; v2(15.939,44.14) U19.15@16.902,44.14 ; X7.3@20,152.98 24.672,157.652 U22.11@25.875,157.652 ; v2(20.273,138.471) 20.288,138.455 23.035,138.455 U23.11@23.05,138.44 ; U23.11@23.05,138.25 v2(24.42,138.25) ; v2(24.541,145.152) U24.11@25.875,145.152
  Bottom Layer w0.254: v2(18.285,118.685) 18.285,118.537 18.499,118.323 18.499,65.499 15.212,62.212 15.212,59.811 15.75,59.273 v2(15.75,59.117) 15.75,58.977 15.392,58.619 15.392,44.54 15.89,44.041 15.939,44.041 15,43.102 15,23.358 21.23,17.128 21.23,12.748 22.06,11.918 X1.4@22.06,11.5 ; v2@18.29,118.744 18.285,118.749 18.285,121.421 20.273,123.409 v2(20.273,138.471) ; X7.3@20,152.98 22.5,150.48 22.5,147.193 v2(24.541,145.152) 25.5,144.193 25.5,139.183 24.567,138.25 v2(24.42,138.25)
"CTRL DATA": U19.2 X1.3 | length 42
  Top Layer w0.254: v2(9.765,42.265) 9.765,43.275 10.615,44.125 U19.2@12.014,44.125
  Bottom Layer w0.254: v2(9.765,42.265) 9.765,40.332 14.5,35.597 14.5,23.216 20.747,16.969 20.747,10.273 X1.3@22.06,8.96
"CTRL OE": R60.6 U19.8 U20.8 U21.8 U22.13 U23.13 U24.13 X1.6 X7.1 | length 178
  Top Layer w0.254: U19.8@12.55,40.225 13.086,40.225 14.061,39.25 v2(16.75,39.25) ; U20.8@12.55,55.225 12.55,54.399 13.449,53.5 v2(16.939,53.5) ; R60.6@15.592,117.25 v2(21.75,117.25) 21.75,117.102 22.19,116.662 U21.8@22.19,114.737 ; X7.1@20,147.9 20.365,148.265 21.015,148.265 21.75,149 21.75,151.612 25.25,155.112 U22.13@25.875,155.112 ; v2(21.5,141.099) 21.56,141.04 22.99,141.04 U23.13@23.05,140.98 23.647,140.98 25.278,142.612 U24.13@25.875,142.612
  Bottom Layer w0.254: v2@16.865,53.426 17.12,53.171 17.12,43.424 16.75,43.054 16.75,39.102 16,38.352 16,24.528 16.666,23.862 16.666,22.334 22.847,16.153 22.847,13.253 X1.6@24.6,11.5 ; v2(16.939,53.5) 16.75,53.5 16.939,53.689 16.939,60.162 16.931,60.17 16.931,62.431 19.921,65.421 19.921,114.604 21.646,116.329 21.646,117.146 v2(21.75,117.25) 21.75,117.398 21.5,117.648 21.5,146.4 X7.1@20,147.9
"CTRL RCLK": R60.7 U19.10 U20.10 U21.10 U22.12 U23.12 U24.12 X1.1 X7.2 | length 171.7
  Top Layer w0.254: R60.7@15.592,118.05 16.513,118.05 16.846,117.717 19.045,117.717 19.379,118.05 v2(19.467,118.05) ; v2(15.939,23.561) 15.977,23.523 15.977,19.273 18.219,17.031 18.219,10.261 X1.1@19.52,8.96 ; v2(16,40.875) U19.10@16.95,40.875 ; v2(16.119,55.875) U20.10@17.745,55.875 ; X7.2@20,150.44 20.296,150.736 20.296,151.334 25.077,156.115 25.344,156.382 U22.12@25.875,156.382 ; v2(20.773,122.881) 20.902,122.881 21.54,122.243 U21.10@21.54,120.202 ; v2(20.773,139.717) 20.776,139.713 23.047,139.713 U23.12@23.05,139.71 23.053,139.713 24.42,139.713 v2(24.423,139.717) ; v2(24.538,143.877) 24.541,143.88 25.873,143.88 U24.12@25.875,143.882
  Bottom Layer w0.254: v2(15.939,23.561) 15.5,24 15.5,40.375 v2(16,40.875) 16,42.946 16.666,43.612 16.666,48.897 16,49.563 16,52.534 16.119,52.652 v2(16.119,55.875) ; v2@16,55.875 16,57.968 16.477,58.445 16.477,62.727 19.467,65.717 19.467,119.365 19.25,119.583 19.25,120.75 20.773,122.273 v2(20.773,122.881) v2@20.773,123 ; X7.2@20,150.44 22,148.44 22,146.416 v2(24.538,143.877) 24.481,143.819 24.481,139.775 v2(24.423,139.717) ; v2@20.706,123 20.706,123.128 21,123.422 21,139.342 20.773,139.569 v2(20.773,139.717)
DA0: U3.68 U11.42 | length 6.9
  Top Layer w0.254: U3.68@80.45,77.55 82.263,77.55 83.963,79.25 U11.42@86.6,79.25
DA1: U3.67 U11.43 | length 6.9
  Top Layer w0.254: U3.67@80.45,77.05 82.405,77.05 84.105,78.75 U11.43@86.6,78.75
DA2: U3.66 U11.44 | length 6.9
  Top Layer w0.254: U3.66@80.45,76.55 82.547,76.55 84.247,78.25 U11.44@86.6,78.25
DA3: U3.65 U11.45 | length 6.9
  Top Layer w0.254: U3.65@80.45,76.05 82.689,76.05 84.389,77.75 U11.45@86.6,77.75
DA4: U3.64 U11.46 | length 6.9
  Top Layer w0.254: U3.64@80.45,75.55 82.831,75.55 84.531,77.25 U11.46@86.6,77.25
DA5: U3.60 U11.47 | length 7.5
  Top Layer w0.254: U3.60@80.45,73.55 82.778,73.55 85.976,76.748 86.598,76.748 U11.47@86.6,76.75
DA6: U3.59 U11.48 | length 7.5
  Top Layer w0.254: U3.59@80.45,73.05 83.031,73.05 86.231,76.25 U11.48@86.6,76.25
DA7: U3.58 U11.51 | length 9.3
  Top Layer w0.254: U3.58@80.45,72.55 85.637,72.55 88.248,75.161 88.248,75.598 U11.51@88.25,75.6
DA8: U3.55 U11.52 | length 10.5
  Top Layer w0.254: U3.55@80.45,71.05 84.779,71.05 88.748,75.019 88.748,75.598 U11.52@88.75,75.6
DA9: U3.54 U11.53 | length 11.1
  Top Layer w0.254: U3.54@80.45,70.55 84.922,70.55 89.248,74.876 U11.53@89.248,75.377
DA10: U3.53 U11.54 | length 12.1
  Top Layer w0.254: U3.53@80.45,70.05 85.064,70.05 89.75,74.736 U11.54@89.75,75.6
DA11: U3.52 U11.55 | length 12.9
  Top Layer w0.254: U3.52@80.45,69.55 85.206,69.55 90.25,74.594 U11.55@90.25,75.6
DA12: U3.51 U11.56 | length 13.7
  Top Layer w0.254: U3.51@80.45,69.05 85.348,69.05 90.75,74.452 U11.56@90.75,75.6
DA13: U3.50 U11.57 | length 14.5
  Top Layer w0.254: U3.50@80.45,68.55 85.49,68.55 91.25,74.31 U11.57@91.25,75.6
DA14: U3.49 U11.58 | length 15.3
  Top Layer w0.254: U3.49@80.45,68.05 85.632,68.05 91.75,74.168 U11.58@91.75,75.6
DA15: U3.46 U11.59 | length 16.5
  Top Layer w0.254: U3.46@80.45,66.55 84.774,66.55 92.248,74.024 92.248,75.598 U11.59@92.25,75.6
DAC1: U3.101 U14.16 | length 12.5
  Top Layer w0.254: U14.16@54.45,82.25 55.901,82.25 57.954,84.303 62.515,84.303 64.5,82.318 U3.101@64.5,81.5
DAC2: U3.103 U14.15 | length 11.6
  Top Layer w0.254: U14.15@54.45,81.75 56.043,81.75 58.142,83.849 62.327,83.849 63.5,82.676 U3.103@63.5,81.5
DAC3: U3.104 U14.14 | length 10.8
  Top Layer w0.254: U14.14@54.45,81.25 56.185,81.25 58.33,83.395 62.139,83.395 63,82.534 U3.104@63,81.5
DAC4: U3.105 U14.13 | length 10.1
  Top Layer w0.254: U14.13@54.45,80.75 56.327,80.75 58.518,82.941 61.951,82.941 62.5,82.392 U3.105@62.5,81.5
DAC5: U3.106 U14.12 | length 11.3
  Top Layer w0.254: U14.12@53,79.3 53,79.529 53.021,79.55 55.03,79.55 55.051,79.529 55.57,79.529 55.591,79.55 55.95,79.55 58.887,82.487 61.762,82.487 62,82.25 U3.106@62,81.5
DAC6: U3.110 U14.11 | length 7.8
  Top Layer w0.254: U14.11@52.5,79.3 52.509,79.291 52.509,78.422 52.658,78.273 53.198,78.273 53.974,79.05 U3.110@59.05,79.05
DAC7: U3.111 U14.10 | length 8.9
  Top Layer w0.254: U14.10@52,79.3 52.009,79.291 52.009,78.002 52.415,77.596 53.163,77.596 54.071,78.504 55.502,78.504 55.548,78.55 U3.111@59.05,78.55
DAC8: U3.112 U14.9 | length 9.7
  Top Layer w0.254: U14.9@51.5,79.3 51.509,79.291 51.509,77.86 52.227,77.142 53.937,77.142 54.845,78.05 U3.112@59.05,78.05
DAC9: U3.113 U14.8 | length 10.4
  Top Layer w0.254: U14.8@51,79.3 51.009,79.291 51.009,77.718 52.039,76.688 54.125,76.688 54.987,77.55 U3.113@59.05,77.55
DAC10: U3.114 U14.7 | length 11.2
  Top Layer w0.254: U14.7@50.5,79.3 50.509,79.291 50.509,77.576 51.851,76.234 54.313,76.234 55.129,77.05 U3.114@59.05,77.05
DAC11: U3.115 U14.6 | length 11.9
  Top Layer w0.254: U14.6@50,79.3 50.009,79.291 50.009,77.434 51.663,75.78 54.501,75.78 55.271,76.55 U3.115@59.05,76.55
DAC12: U3.119 U14.5 | length 12.7
  Top Layer w0.254: U14.5@49.5,79.3 49.509,79.291 49.509,77.292 51.475,75.326 55.071,75.326 55.847,74.55 U3.119@59.05,74.55
DAC13: U3.120 U14.4 | length 13.5
  Top Layer w0.254: U14.4@49,79.3 49.009,79.291 49.009,77.15 51.287,74.872 54.883,74.872 55.705,74.05 U3.120@59.05,74.05
DAC14: U3.121 U14.3 | length 14.3
  Top Layer w0.254: U14.3@48.5,79.3 48.509,79.291 48.509,77.008 51.099,74.418 54.619,74.418 55.487,73.55 U3.121@59.05,73.55
DAC_CLK: R34.2 U3.125 | length 9
  Top Layer w0.254: v2(54.75,72.25) 55.45,71.55 U3.125@59.05,71.55
  Bottom Layer w0.254: R34.2@53.75,76.25 53.75,75.25 54.75,74.25 v2(54.75,72.25)
DAC_DIV0: U3.85 U14.28 | length 28.4
  Top Layer w0.254: U14.28@51.5,87.7 51.509,87.709 51.509,88.911 51.75,89.153 51.75,89.892 52.358,90.5 54.861,90.5 58.611,86.75 69.585,86.75 72.5,83.835 U3.85@72.5,81.5
DAC_DIV1: U3.86 U14.27 | length 26.8
  Top Layer w0.254: U14.27@52,87.7 52.009,87.709 52.009,88.769 52.25,89.011 52.25,89.75 52.5,90 54.611,90 58.361,86.25 69.411,86.25 72,83.66 U3.86@72,81.5
DAC_DRV_A0: R25.2 U3.76 | length 16
  Top Layer w0.254: U3.76@77,81.5 77,85.5 82.5,91 R25.2@82.5,95.25
DAC_DRV_A1: R28.2 U3.77 | length 15.3
  Top Layer w0.254: U3.77@76.5,81.5 76.5,82.108 76.5,85.75 80.25,89.5 R28.2@80.25,95.25
DAC_HP1: U3.99 U14.17 | length 13.7
  Top Layer w0.254: U14.17@54.45,82.75 54.459,82.759 55.767,82.759 57.766,84.757 62.993,84.757 65.5,82.25 U3.99@65.5,81.5
DAC_HP2: U3.98 U14.18 | length 14.4
  Top Layer w0.254: U14.18@54.45,83.25 54.459,83.259 55.625,83.259 57.578,85.211 63.181,85.211 66,82.392 U3.98@66,81.5
DAC_OUT: K1.2 K1.5 T3.6 T3.10 X11.1 | length 32.5
  Top Layer w0.6: T3.6@24.6,108.3 24.925,108.3 25.125,108.1 25.125,107.64 25.73,107.035 T3.10@25.73,106.59
  Top Layer w1: T3.6@24.925,108.3 24.925,109.175 27,111.25 31.125,111.25 34.225,114.35 34.225,116.225 38.55,120.55 38.55,121.4 K1.5@38.65,121.5 X11.1@47.5,121.5
DAC_PD: U3.100 U14.36 | length 30.2
  Top Layer w0.254: v2(46.75,88.5) 47.25,88.5 47.5,88.25 U14.36@47.5,87.7 ; v2(57,91.5) v2(61,87.5) ; U3.100@65,81.5 65,80.148 65.25,79.898 v2(65.25,79.75)
  Bottom Layer w0.254: v2(46.75,88.5) 46.75,89 49.25,91.5 v2(57,91.5) ; v2(61,87.5) 65.25,83.25 v2(65.25,79.75)
DAC_X4: U3.87 U14.23 | length 19.9
  Top Layer w0.254: U14.23@54.5,85.75 69.203,85.75 71.5,83.453 U3.87@71.5,81.5
DCDC_SYNC: U3.133 X1.22 | length 63
  Top Layer w0.254: X1.22@44.92,11.5 44.92,28.63 55.75,39.46 v2(55.75,45.25) ; v2(55.75,66) 55.75,66.05 57.25,67.55 U3.133@59.05,67.55
  Bottom Layer w0.254: v2(55.75,45.25) v2(55.75,66)
DITH: U3.71 U11.20 | length 20.6
  Top Layer w0.254: U3.71@80.45,79.05 81.402,79.05 81.602,79.25 v2(81.75,79.25) 81.75,79.375 83.25,80.875 v2(83.25,81) ; v2(90.949,87.273) 90.949,87.139 93.248,84.839 93.248,84.402 U11.20@93.25,84.4
  Bottom Layer w0.254: v2(83.25,81) 83.25,81.082 82.91,81.422 82.91,84.41 86.017,87.517 90.558,87.517 90.801,87.273 v2(90.949,87.273)
EXT_BAND0: R83.5 X5.10 | length 8.1
  Top Layer w0.254: X5.10@6.71,144.66 6.781,144.66 8.371,146.25 12.05,146.25 13.077,145.223 13.077,144.948 13.175,144.85 R83.5@13.45,144.85
EXT_BAND1: R83.6 X5.9 | length 4.5
  Top Layer w0.254: X5.9@9.25,144.66 11.89,144.66 12.5,144.05 R83.6@13.45,144.05
EXT_BAND2: R83.7 X5.8 | length 7.3
  Top Layer w0.254: X5.8@6.71,142.12 6.781,142.12 8.008,143.347 13.353,143.347 R83.7@13.45,143.25
EXT_BAND3: R83.8 X5.7 | length 4.3
  Top Layer w0.254: X5.7@9.25,142.12 9.482,142.352 13.352,142.352 R83.8@13.45,142.45
EXT_RZV1: R84.7 X5.3 | length 4.5
  Top Layer w0.254: X5.3@9.25,137.04 11.088,137.04 11.798,137.75 R84.7@13.5,137.75
EXT_TUNE: R84.6 X5.5 | length 4.7
  Top Layer w0.254: X5.5@9.25,139.58 10.67,139.58 11.7,138.55 R84.6@13.5,138.55
EXT_TX: R84.5 X5.6 | length 7.9
  Top Layer w0.254: X5.6@6.71,139.58 6.781,139.58 8.008,140.807 10.793,140.807 12.25,139.35 R84.5@13.5,139.35
FAN: R86.2 U20.14 | length 2.9
  Top Layer w0.254: U20.14@16.95,58.475 16.982,58.507 19.305,58.507 19.548,58.75 v4(19.75,58.75)
FAN_OUT: C168.1 VT12.3 X15.1 | length 8.1
  Bottom Layer w0.6: X15.1@24.55,62.3 24.759,62.091 26.058,62.091 27.901,60.247 27.901,59.849 28.75,59 VT12.3@28.95,59
  Bottom Layer w0.8: VT12.3@28.95,59 29.001,58.949 30.949,58.949 C168.1@31,58.899
FPGA_BUS_D0: U3.31 X1.9 | length 77.1
  Top Layer w0.254: U3.31@76,60.1 76,59.108 75.5,58.608 75.5,53.25 v2(76.5,52.25)
  Bottom Layer w0.254: X1.9@29.68,8.96 30.993,10.273 30.993,16.959 57.759,43.725 67.901,43.725 76.426,52.25 v2(76.5,52.25)
FPGA_BUS_D1: U3.30 X1.12 | length 74.4
  Top Layer w0.254: U3.30@75.5,60.1 75.5,59.25 75,58.75 75,52.132 75.788,51.343 76.396,51.343 v2(76.5,51.239)
  Bottom Layer w0.254: X1.12@32.22,11.5 32.22,17.544 57.843,43.166 68.564,43.166 76.5,51.102 v2(76.5,51.239)
FPGA_BUS_D2: U3.28 X1.11 | length 76.9
  Top Layer w0.254: U3.28@74.5,60.1 74.5,51.75 76.146,50.104 76.398,50.104 v2(76.503,50)
  Bottom Layer w0.254: X1.11@32.22,8.96 33.447,10.187 33.447,14.053 33.433,14.067 33.433,17.933 58,42.5 69.003,42.5 v2(76.503,50)
FPGA_BUS_D3: U3.144 X1.14 | length 60.9
  Top Layer w0.254: X1.14@34.76,11.5 36,12.74 36,24.204 50.5,38.704 50.5,53.938 58.517,61.954 58.517,62.05 U3.144@59.05,62.05
FPGA_BUS_D4: U3.143 X1.13 | length 64.3
  Top Layer w0.254: X1.13@34.76,8.96 36.071,10.271 36.071,11.503 cw(c37.298,11.503) 36.5,12.435 36.5,24.062 51.25,38.812 v2(51.25,50.75) ; v2(51.25,56) 51.354,56.104 51.75,56.104 58.195,62.55 U3.143@59.05,62.55
  Bottom Layer w0.254: v2(51.25,50.75) v2(51.25,56)
FPGA_BUS_D5: U3.142 X1.16 | length 61.4
  Top Layer w0.254: X1.16@37.3,11.5 37.3,24.22 52,38.92 v2(52,50) ; v2(51.934,57.316) 52.081,57.316 57.815,63.05 U3.142@59.05,63.05
  Bottom Layer w0.254: v2(51.934,57.316) 51.977,57.273 51.977,50.023 v2(52,50)
FPGA_BUS_D6: U3.141 X1.15 | length 64.7
  Top Layer w0.254: X1.15@37.3,8.96 38.613,10.273 38.613,24.891 52.75,39.028 v2(52.75,49.25) ; v2(52.618,58.882) 52.766,58.882 57.435,63.55 U3.141@59.05,63.55
  Bottom Layer w0.254: v2(52.618,58.882) 52.723,58.777 52.723,57.978 52.727,57.974 52.727,49.273 v2(52.75,49.25)
FPGA_BUS_D7: U3.137 X1.18 | length 62.7
  Top Layer w0.254: X1.18@39.84,11.5 39.84,25.476 53.5,39.136 v2(53.5,48.25) ; v2(53.428,60.572) 53.461,60.604 53.833,60.604 57.5,64.272 57.5,64.75 58.3,65.55 U3.137@59.05,65.55
  Bottom Layer w0.254: v2(53.428,60.572) 53.493,60.507 53.493,48.257 v2(53.5,48.25)
FPGA_CLK: U3.33 X1.7 | length 77.2
  Top Layer w0.254: v2(76.727,54.75) 76.727,58.335 77,58.608 U3.33@77,60.1
  Bottom Layer w0.254: X1.7@27.14,8.96 28.453,10.273 28.453,15.703 57.5,44.75 66.727,44.75 v2(76.727,54.75)
FPGA_SYNC: U3.32 X1.10 | length 74
  Top Layer w0.254: U3.32@76.5,60.1 76.5,58.75 76,58.25 76,54.148 76.503,53.645 v2(76.503,53.497)
  Bottom Layer w0.254: X1.10@29.68,11.5 29.68,16.288 57.571,44.179 67.179,44.179 76.497,53.497 v2(76.503,53.497)